# Altium PCB LimeSDR-Micro_1v0.PcbDoc (part 7 of 8)
Units mm, origin at the board's own origin, x right, y up, seen from the top; angles counter-clockwise.
Board outline 50.8 x 29.7 mm, 8 copper layers (Top, L2, L3, L4, L5, L6, L7, Bottom), stack 0.925 mm thick; 648 components, 374 nets, 2297 pads, 812 vias.
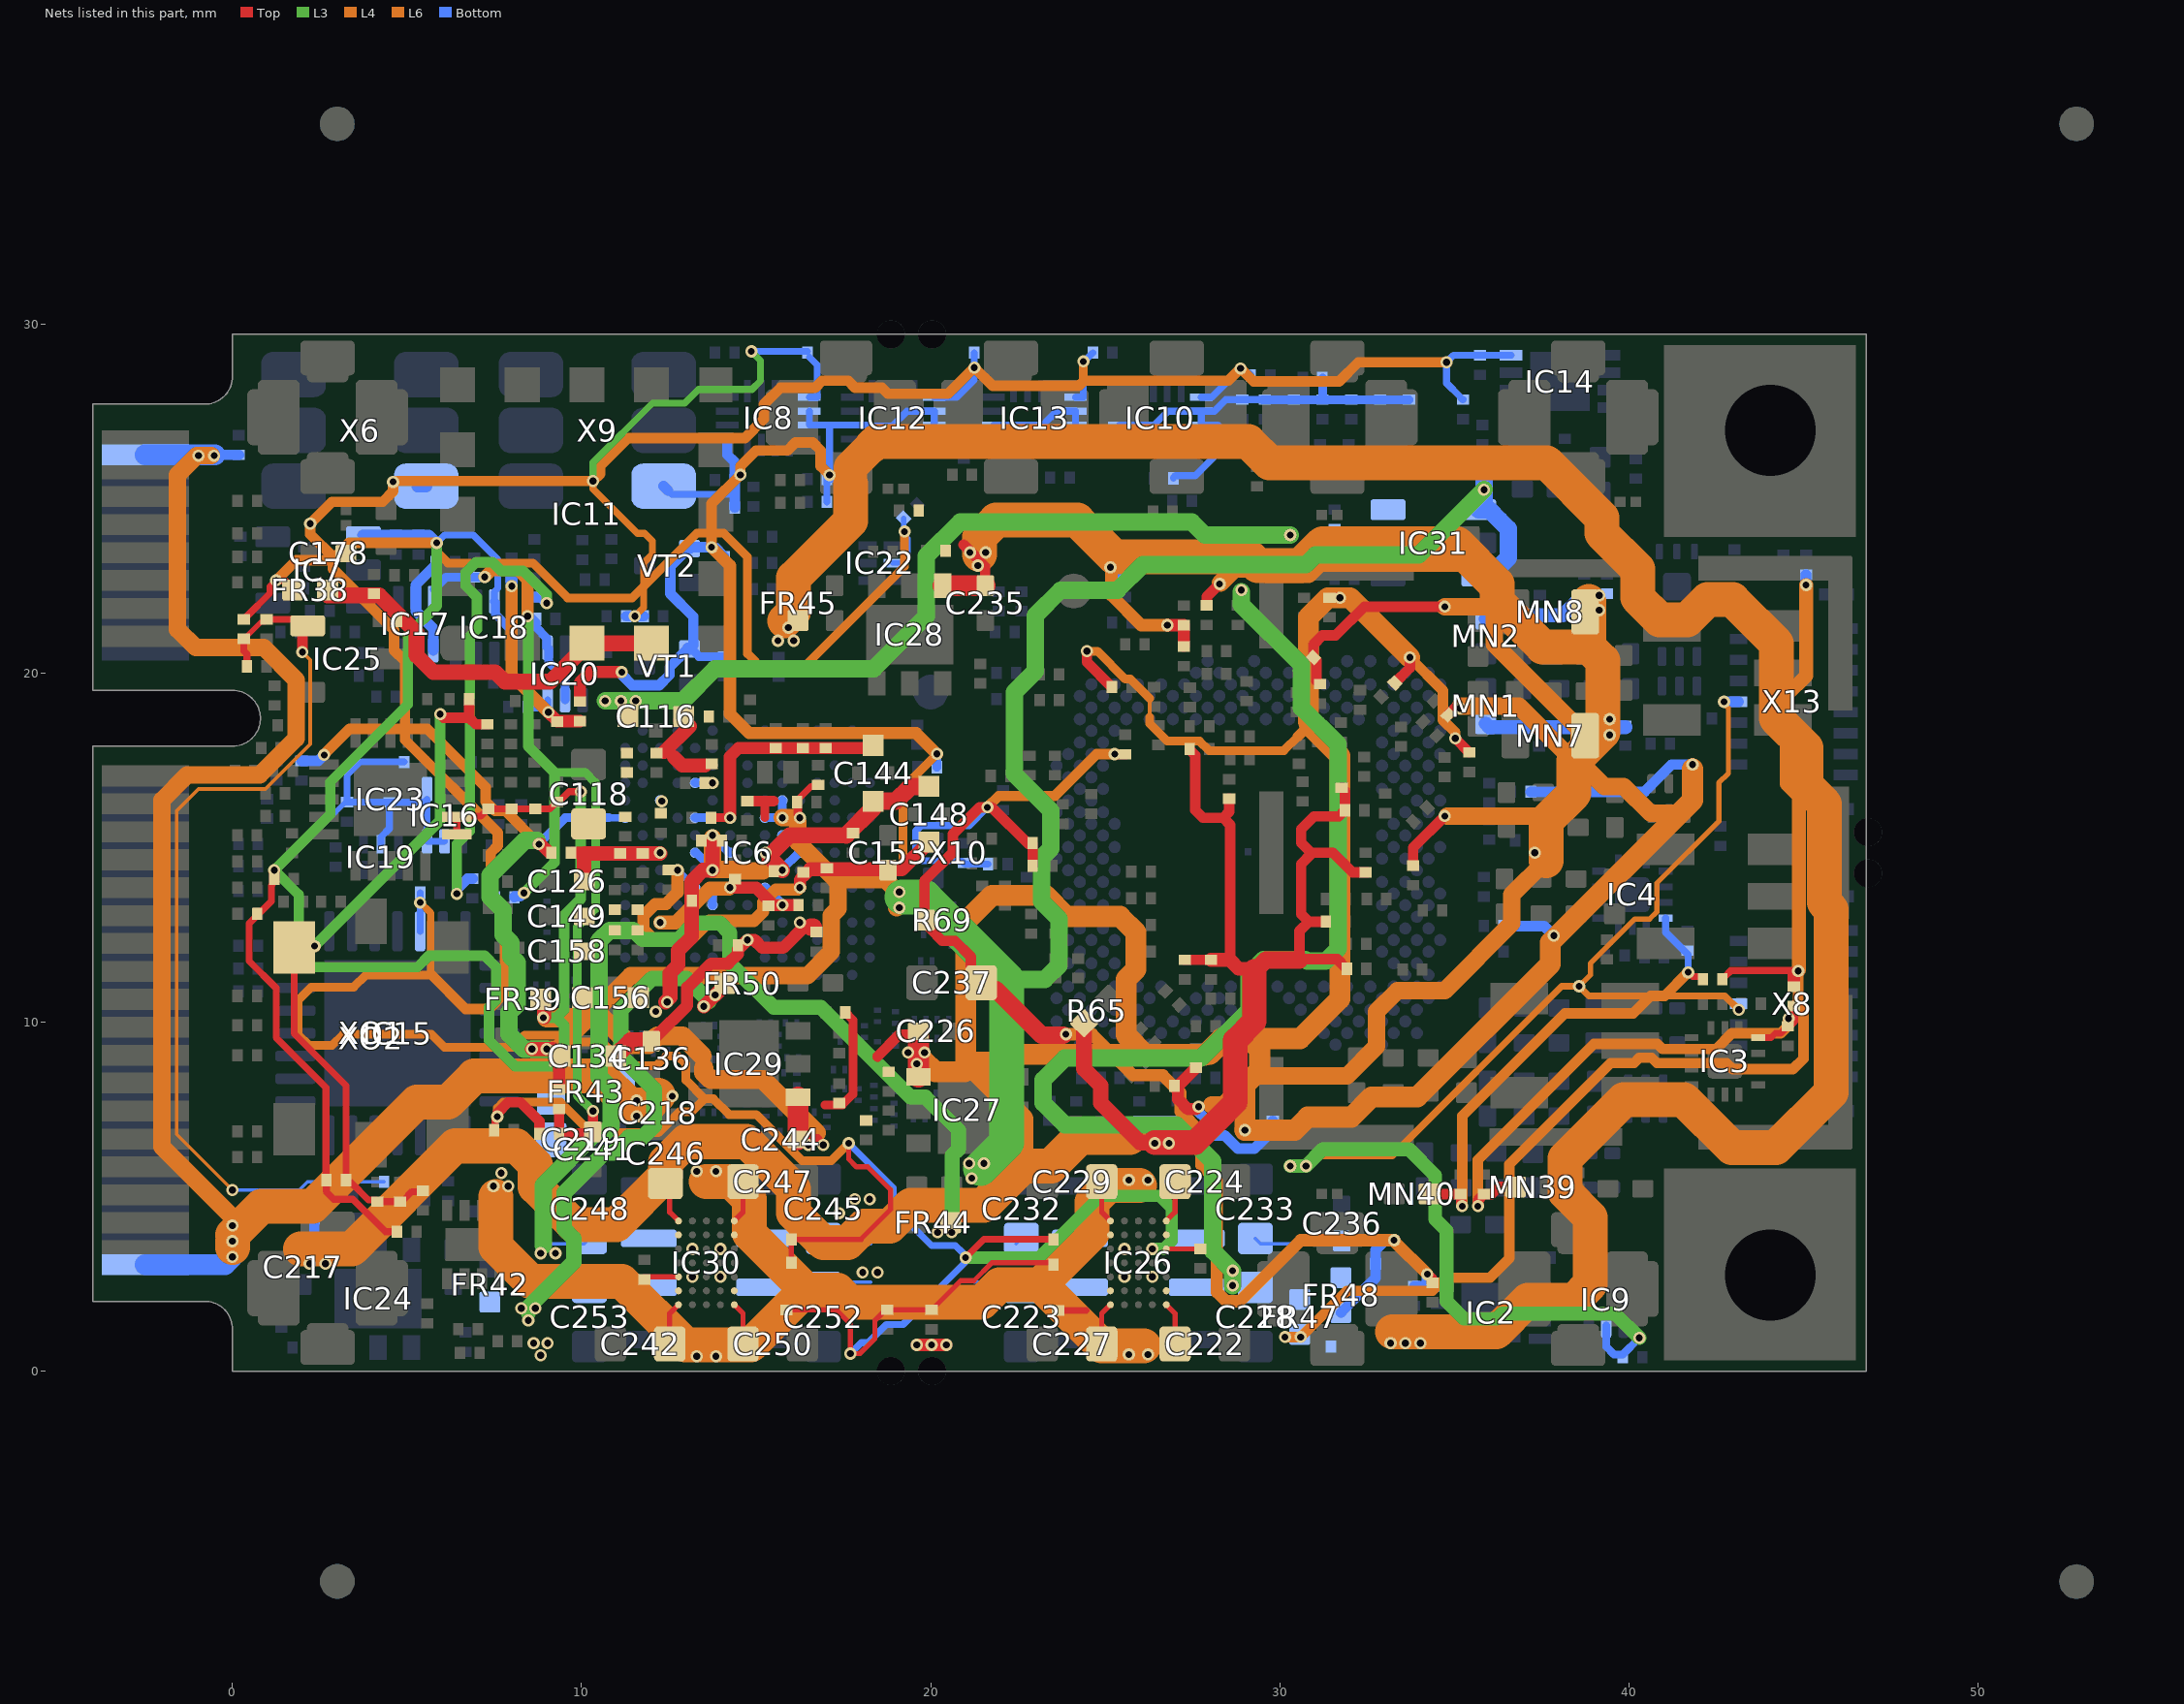
[diagram p13: the nets of this part, all layers, seen from the top]

## Via types
v1: diameter 0.35, hole 0.2, Top to Bottom, tented both sides, 670 vias
v2: diameter 0.35, hole 0.2, L5 to Bottom, tented both sides, 104 vias
v3: diameter 0.4, hole 0.2, Top to Bottom, tented both sides, 30 vias
v4: diameter 0.5, hole 0.2, Top to Bottom, tented both sides, 8 vias

## Nets (pads, with @x,y where several pads share a name; then routed paths per layer and width w, separated by ;. In a path a pad name is that pad's centre, name@x,y a point inside that pad or via, vN(x,y) a via of type N, cw(c..) or ccw(c..) an arc to the next point about the centre after c; other vN are vias at no path point) (continued)
VCC0P9: C139.2 C140.2 C141.2 C142.2 C143.2 C144.1 C148.1 C156.1 C223.2 IC6.G6 IC6.G10 IC6.H5 IC6.H7 IC6.H9 IC6.H11 IC6.J6 IC6.J10 IC26.C4 L2.2 | length 19.2
  Top w0.3: v1(20.45,0.75) v1@20.475,0.75
  Top w0.35: v1(19.6,0.75) v1(20.025,0.75) v1(20.45,0.75)
  Top w0.42: v1@12.4,10.575 12.533,10.708 12.533,11.398 12.766,11.631 12.766,12.051 13.15,12.435 13.15,14.025 13.475,14.35 v1(13.751,14.35) 13.751,15.1
  Top w0.45: v1(15.751,14.35) 15.64,14.46 15.375,14.726 15.375,14.767 15.958,15.35 17.575,15.35
  Top w0.5: 17.575,15.35 18.35,16.125 C144.1@18.35,16.325 19,16.325 19.425,16.75 C148.1@19.95,16.75
  L6 w0.5: v1@13.75,14.375 v1@13.75,15.275 ; v1@13.8,14.375 14.475,14.375 14.525,14.325 15.2,14.325 15.45,14.575
  Bottom w0.1: 21.25,2.55 22.45,2.55 C223.2@22.6,2.4
  Bottom w0.25: IC6.H5@13.251,14.85 13.264,14.85 13.289,14.825 13.306,14.825 13.726,14.405 13.726,14.389 13.751,14.364 v1(13.751,14.35) ; v1(13.751,15.35) 13.751,15.336 13.776,15.311 13.776,15.295 14.196,14.875 14.212,14.875 14.237,14.85 IC6.H7@14.251,14.85 ; IC6.H9@15.251,14.85 v1(15.264,14.85) 15.289,14.875 15.342,14.875 15.751,15.284 IC6.J10@15.751,15.35 ; v1(15.751,14.35) 15.751,14.364 15.776,14.389 15.776,14.405 16.196,14.825 16.212,14.825 16.237,14.85 IC6.H11@16.251,14.85
  other v1: 25.55,2.7 12.125,10.3 12.45,10.575
VCC0P9_AFE_CVDD: C148.3 C152.2 C153.2 C154.2 C155.2 IC6.F5 IC6.F11 | length 12.7
  Top w0.35: v1(16.251,13.85) 16.251,14.076 16.4,14.225 16.55,14.375
  Top w0.4: 16.55,14.375 17.025,14.375 18.775,14.375 19.175,14.375 C148.3@19.95,15.15
  L6 w0.35: v1(12.751,14.35) 12.751,13.714 12.418,13.38 12.109,13.38 11.776,13.047 11.776,12.653 12.054,12.375 13.14,12.375 13.665,12.9 14.937,12.9 15.201,13.164 15.201,13.436 15.565,13.8 16.201,13.8 v1(16.251,13.85)
  Bottom w0.2: v1(12.751,14.35) IC6.F5@13.251,13.85
VCC0P9_AFE_SVDD: C149.2 C150.1 C151.1 C156.3 C157.2 C158.2 C159.2 C160.2 C161.2 C162.2 IC6.D3 IC6.E6 IC6.E10 IC6.F7 IC6.F9 | length 6.1
  Top w0.35: v1(14.251,13.85) 15,13.85 15.5,13.35 v1(15.751,13.35) C150.1@16.19,13.35
  L6 w0.4: v1(12.251,12.85) 12.7,12.85 13.675,13.825 v1@14.226,13.825
  Bottom w0.25: IC6.E6@13.751,13.35 13.751,13.651 13.95,13.85 v1(14.251,13.85) ; IC6.F9@15.251,13.85 15.264,13.85 15.289,13.825 15.306,13.825 15.741,13.39 15.741,13.36 v1(15.751,13.35)
VCC0P9_SD_SVDD: C144.3 C145.2 C146.2 C147.2 IC6.K5 IC6.K7 R78.2 | length 7.5
  Top w0.25: R78.2@13.705,15.85 v1(14.251,15.85)
  Top w0.35: v1(14.251,15.85) 14.25,15.851 14.25,17.6 14.5,17.85 15.075,17.85 15.85,17.85 16.5,17.85 18.275,17.85 C144.3@18.35,17.925
  Bottom w0.25: IC6.K5@13.251,15.85 v1(14.251,15.85)
VCC1P4_LMS: C226.2 FR22.2 FR23.2 FR24.2 FR25.2 IC27.4 R194.2 R195.1 | length 60.3
  Top w0.3: 18.475,9.015 19.096,9.636 19.646,9.636 C226.2@19.65,9.64 ; FR25.2@27.909,21.935 27.909,22.184 v1(28.275,22.55)
  Top w0.6: IC27.4@19.65,8.425 C226.2@19.65,9.64
  L4 w0.6: v1(29,6.9) 30.425,6.9 30.8,7.275 32.05,7.275 32.625,7.85 33.938,7.85 37.75,11.662 37.75,12.275 41.825,16.35 v1@41.825,17.25
  L6 w0.5: v1@28.3,22.575 28.7,22.975 29.475,22.975 29.625,22.825 30.825,22.825 31.15,23.15 35.218,23.15 36.15,22.218 36.15,20.825 38.575,18.4 38.575,17.475 39.3,16.75 39.85,16.75 40.625,15.975 41.367,15.975 41.825,16.433 v1@41.825,17.3
  L6 w0.6: 19.775,8.925 20.125,8.575 20.975,8.575 21.25,8.85 22,8.85 22.225,9.075 28,9.075 28.5,9.575 29.05,9.575 29.425,9.2 29.425,8.625 29,8.2 v1(29,6.9)
  Bottom w0.3: v1(29,6.9) FR23.2@29,7.17 ; FR24.2@36.405,12.75 37.575,12.75 v1(37.85,12.475) ; FR22.2@37.185,16.595 40.445,16.595 41.225,17.375 v1(41.825,17.375)
  other v1: 19.6,8.8 19.35,9.125 19.825,9.125
VCC1P5: C245.2 FR42.1 IC30.C4 L6.2 | length 1.4
  Bottom w0.1: C245.2@16.925,3.8 17.075,3.65 18.275,3.65
  other v1: 8.825,0.45 8.625,0.8 9.025,0.8 13.975,3.5 17.375,4.525 17.825,4.925 18.25,4.925
VCC1P8: C129.2 C130.2 C134.1 C163.2 C165.2 C172.2 C174.2 C232.2 C254.1 FR46.1 FR49.1 IC6.K1 IC6.K9 IC6.K11 IC6.L10 IC8.5 IC8.14 IC8.15 IC10.5 IC10.6 IC10.14 IC10.15 IC12.6 IC12.14 IC12.15 IC12.16 IC13.5 IC13.6 IC13.14 IC13.15 IC13.16 IC26.E4 IC31.1 IC31.3 L4.2 R80.2 R83.2 R85.1 R86.1 R87.1 R108.1 R109.1 R110.1 R111.1 R112.1 R113.1 R114.1 R115.1 R116.1 R117.1 R141.1 R148.1 VT1.G VT2.G X9.4 | length 146.6
  Top w0.2: C129.2@16.17,16.3 16.17,16.325 16.22,16.375 16.22,16.398 16.567,16.745 16.725,16.745 R87.1@16.775,16.795
  Top w0.25: 15.251,15.85 15.251,16.149 ; C129.2@16.17,16.3 16.195,16.275 16.195,15.933 16.251,15.877 v1(16.251,15.85)
  Top w0.3: C130.2@14.75,16.33 15.5,16.33
  Top w0.35: v1(8.775,15.095) 8.838,15.095 R80.2@9.083,14.85 ; FR49.1@9.355,8.091 C134.1@9.355,9.005 ; C134.1@9.355,9.03 C134.1@9.355,9.005 ; C134.1@9.375,9.025 C134.1@9.355,9.005 ; FR46.1@9.95,19.205 9.95,19.725 10.25,20.025 v1(11.15,20.025)
  Top w0.4: v1(8.575,9.225) v1(9,9.225) 9.175,9.225 C134.1@9.375,9.025
  L3 w0.5: v1(8.575,9.225) 8.35,9.225 7.925,9.65 7.925,10.275 8.15,10.5 8.15,11.7 7.975,11.875 7.975,12.275 7.75,12.5 7.75,13.2 7.375,13.575 7.375,14.2 8.375,15.2 v1@8.725,15.2 ; v1@8.675,9.225 v1(9,9.225) ; 22.175,11.225 23.275,11.225 23.675,11.625 23.675,12.95 23.175,13.45 23.175,14.7 23.443,14.968 23.443,16.057 22.4,17.1 22.4,19.45 23,20.05 23,21.65 23.725,22.375 25.35,22.375 26.075,23.1 30.75,23.1 31.025,23.375 33.975,23.375 v1(35.85,25.25)
  L3 w1: v1@19.175,13.575 19.825,13.575 22.175,11.225 22.175,6.55 21.425,5.8
  L4 w0.35: v1(13.725,23.6) 14.25,23.075 14.25,18.825 14.8,18.275 19.585,18.275 v1(20.18,17.68)
  L6 w0.25: 18.7,14.075 19.2,14.575 19.2,16.7 v1(20.18,17.68)
  L6 w0.3: v2(2.625,17.65) 2.625,17.675 3.35,18.4 5.578,18.4 7.251,16.727 ; 7.25,16.726 7.25,16.316 7.516,16.05 7.82,16.05 v1(8.775,15.095) ; v1(13.725,23.6) 13.725,24.85 v1(14.55,25.675) 14.55,25.925 15,26.375 15.9,26.375 16.125,26.6 16.625,26.6 16.85,26.375 16.85,25.92 v2(17.1,25.67)
  L6 w0.5: v1(8.575,9.225) v1(9,9.225) 9.3,9.225 11.4,11.325 16.468,11.325 17.15,12.007 17.15,13.05 17.35,13.25 17.35,13.993 17.268,14.075 ; v1(15.751,15.85) 16.1,15.85 16.2,15.75 16.2,15.143 17.268,14.075 ; v1@19.025,13.275 19.025,13.75 18.7,14.075 17.268,14.075
  Bottom w0.1: C232.2@22.45,3.65 C232.2@22.6,3.8
  Bottom w0.2: 10.775,15.85 IC6.K1@11.251,15.85 ; X9.4@12.47,25.23 12.584,25.116 14.385,25.116 ; IC8.14@16.525,27.5 IC8.15@16.525,27.1 17.137,27.1 ; R116.1@17.03,24.9 C172.2@17.03,25.6 ; C172.2@17.03,25.55 R109.1@17.595,25.55 ; v2(17.1,25.67) 17.1,27.062 17.137,27.1 ; R115.1@26.955,25.575 26.955,25.6 27.005,25.65 27.575,25.65 28.35,26.425 28.35,26.975 28.225,27.1 IC10.15@27.75,27.1 IC10.14@27.75,27.5 ; R117.1@29.5,27.83 28.455,27.83 28.125,27.5 IC10.14@27.75,27.5 ; 17.137,27.1 IC12.6@17.75,27.1 18.245,27.1 18.27,27.075 18.9,27.075 19.325,27.5 IC12.14@20.1,27.5 IC12.15@20.1,27.1 IC12.16@20.1,26.7 IC13.5@21.8,26.7 IC13.6@21.8,27.1 23.212,27.1 23.612,27.5 IC13.14@24.15,27.5 IC13.15@24.15,27.1 IC13.16@24.15,26.7 IC10.5@25.4,26.7 IC10.6@25.4,27.1 26.4,27.1 26.8,27.5 IC10.14@27.75,27.5
  Bottom w0.25: v1(8.775,15.095) 9.53,15.85 10.775,15.85 ; VT1.G@13.145,20.69 13.362,20.473 R141.1@14.074,20.473 ; IC6.K9@15.251,15.85 v1(15.751,15.85) IC6.L10@15.751,16.35 ; R83.2@20.18,17.3 v1(20.18,17.68) ; R117.1@29.5,27.83 R117.1@29.575,27.83 R112.1@30.4,27.83 R113.1@31.225,27.83 ; C165.2@31.225,28.45 R113.1@31.225,27.83 ; R110.1@33.7,27.83 R114.1@32.875,27.83 R111.1@32.05,27.83 R113.1@31.225,27.83
  Bottom w0.3: R86.1@1.975,17.48 2.455,17.48 v2(2.625,17.65) ; v1(11.15,20.025) 11.15,19.953 11.453,19.65 12.225,19.65 12.52,19.945 12.52,20.165 VT1.G@13.045,20.69 ; X9.4@12.35,25.35 X9.4@12.47,25.23 ; VT1.G@13.095,20.69 13.1,20.69 13.2,20.79 13.2,21.613 12.545,22.268 12.545,23.065 13.045,23.565 VT2.G@13.095,23.565 ; VT2.G@13.13,23.6 v1(13.725,23.6) 13.735,23.59 13.831,23.59 14.049,23.373 14.049,23.348 R148.1@14.074,23.348 ; IC8.5@14.175,26.625 14.175,26.25 14.38,26.045 14.38,25.5 14.385,25.495 14.385,25.116 C174.2@14.385,24.737
  Bottom w0.35: VT1.G@13.045,20.69 VT1.G@13.095,20.69 ; R85.1@14.419,25.675 v1(14.55,25.675)
  Bottom w0.5: IC31.3@35.7,22.775 35.75,22.825 36.075,22.825 36.55,23.3 36.55,24.126 36.301,24.375 36.001,24.675 IC31.1@35.855,24.675 ; IC31.1@35.7,24.675 IC31.1@35.855,24.675 ; C254.1@35.855,25.625 IC31.1@35.855,24.675
  other v1: 25.55,3.5 21.175,5.525 21.1,5.95 21.525,5.95 19.1,13.275 19.1,13.725
VCC1P8_AFE_OTVDD: C134.3 C135.2 C136.2 C137.2 IC6.C8 IC6.D11 | length 7.8
  Top w0.35: C136.2@12,9.45 12,9.5 12.075,9.575 12.125,9.575 13.025,10.475 13.025,10.988 13.712,11.675 14.2,11.675 14.48,11.955 14.48,12.079 v1(14.751,12.35) 14.95,12.35 15.175,12.125 15.775,12.125 16.375,12.725 C135.2@16.575,12.725
  Top w0.5: C134.3@10.975,9.025 11.4,9.45 C136.2@12,9.45 ; C135.2@16.575,12.725 C135.2@16.633,12.725
  other v1: 16.251,12.85
VCC1P8_AVDD_PLAT: C126.2 C127.1 C128.1 IC6.H3 R80.1 | length 3.3
  Top w0.35: R80.1@9.743,14.85 10.05,14.85 10.075,14.825
  Top w0.42: C126.2@10.075,14.025 10.075,14.825 v1@12.25,14.825
  other v1: 12.251,14.85
VCC1P8_CLK: C188.1 C190.1 C238.1 FR46.2 IC18.6 IC20.6 | length 6.5
  Top w0.35: v1(9.05,18.875) 9.305,18.62 FR46.2@9.95,18.62
  L6 w0.35: v1(8,22.485) 8,19.925 v1(9.05,18.875)
  Bottom w0.2: C188.1@7.975,22.745 C188.1@8,22.72 ; IC20.6@8.975,19.025 9.025,19.075 IC20.6@9.025,19.225
  Bottom w0.25: C190.1@8.455,19.025 IC20.6@8.975,19.025
  Bottom w0.3: IC18.6@8,22.05 v1(8,22.485)
  Bottom w0.35: v1(8,22.485) C188.1@8,22.72
VCC1P8_LMS: C29.2 C30.2 C31.1 C32.1 C33.2 C34.2 C35.1 C36.1 C235.2 FR26.2 FR27.1 FR28.1 FR29.2 FR30.2 FR31.2 FR32.2 FR33.2 IC28.4 MN1.2 MN2.2 MN7.2 MN8.2 R68.2 R70.2 R71.1 R200.2 R201.1 | length 76
  Top w0.3: 20.94,23.675 21.37,23.245 21.561,23.054 21.561,22.504 C235.2@21.565,22.5 ; R70.2@31.15,19.68 31.125,19.68 31.125,19.705 31.05,19.78 31.05,20.362 30.948,20.464 30.966,20.481 30.966,20.816 31.225,21.075 31.6,21.075 32.425,21.9 v1(34.725,21.9) ; FR28.1@33.82,14.48 33.82,14.995 v1(34.725,15.9) ; FR26.2@34.823,18.802 35.01,18.989 v1(35.16,18.989)
  Top w0.35: v1(26.78,21.37) FR31.2@27.25,21.37 FR33.2@27.25,20.78 ; R71.1@27.005,8.175 R71.1@27.086,8.175 ; R71.1@27.061,8.15 R71.1@27.086,8.175 ; R71.1@27.111,8.175 R71.1@27.086,8.175 ; FR30.2@27.576,8.665 R71.1@27.086,8.175 ; v1@27.6,7.5 27.375,7.5 27.086,7.789 R71.1@27.086,8.175
  Top w0.6: IC28.4@20.35,22.5 C235.2@21.565,22.5
  L4 w0.35: 25.175,23.4 25.175,22.225 26.03,21.37 v1(26.78,21.37)
  L4 w0.5: 28.05,7.625 28.4,7.625 29.225,8.45 31.925,8.45 32.775,9.3 32.775,10.3 33.374,10.899 34.724,10.899 36.65,12.825 36.65,13.65 37.625,14.625 ; v1(34.725,21.9) 36.375,21.9 ; v1@34.8,15.9 37.5,15.9 ; v1@35.175,19.05 36.85,19.05 38.425,17.475
  L4 w1: 21.4,23.4 21.4,23.9 21.875,24.375 24.2,24.375 25.175,23.4 ; 25.25,23.325 29.125,23.325 29.375,23.075 30.6,23.075 31.225,23.7 35.075,23.7 36.225,22.55 36.225,22.05 ; 36.375,21.9 37.525,20.75 38.85,20.75 ; 37.625,14.625 37.625,15.75 38.425,16.55 38.425,17.475 39.25,18.3 39.25,20.35 38.85,20.75 ; 38.85,22.05 38.85,20.75
  Bottom w0.3: v1@27.6,7.5 27.93,7.17 FR29.2@28.15,7.17
  Bottom w0.35: v1(25.15,23.025) 25.445,22.73 R68.2@25.575,22.73 ; v1(37.305,14.85) FR27.1@37.305,15.205 FR27.1@37.305,15.28
  Bottom w0.4: MN1.2@35.9,18.55 36,18.45 36.234,18.45 C33.2@39.9,18.45 ; MN2.2@35.9,21.55 36,21.65 36.234,21.65 37.45,21.65 38.105,21.65 38.68,22.225 38.915,21.99 39.15,21.755 v1(39.15,21.8)
  other v1: 27.675,7.575 39.45,18.225 39.45,18.675 39.15,22.225 21.35,23.075 21.125,23.45 21.575,23.45
VCC1P25_LMS: C217.2 FR5.2 FR6.2 FR7.2 FR8.2 FR9.2 FR10.2 FR11.2 FR12.2 FR13.2 FR14.2 FR15.2 FR16.2 FR17.2 FR18.2 FR19.2 FR20.2 FR21.2 IC24.4 R65.1 R188.2 R189.1 | length 122.6
  Top w0.3: v1(24.475,20.625) 24.475,20.312 FR7.2@25.192,19.595 ; FR17.2@27.275,11.78 FR5.2@28.025,11.78 ; FR18.2@27.42,17.825 27.42,17.8 27.58,17.64 27.58,16.07 27.8,15.85 28.375,15.85 ; FR19.2@28.55,16.395 28.55,16.025 28.375,15.85 ; 28.575,11.78 28.575,15.65 28.375,15.85 ; FR11.2@31.32,12.875 30.833,12.875 ; FR20.2@31.425,22.155 v1(31.725,22.155) ; FR8.2@31.772,16.71 31.797,16.71 31.797,16.685 31.867,16.615 FR6.2@31.867,16.065 31.867,16.04 31.842,16.04 31.692,15.89 30.978,15.89 30.615,15.526 30.615,15.135 30.9,14.85 ; FR12.2@31.92,11.525 31.645,11.8 30.565,11.8 30.565,12.607 30.833,12.875 ; FR10.2@32.484,14.29 FR10.2@32.459,14.29 32.085,14.29 31.525,14.85 30.9,14.85 ; FR21.2@33.295,19.713 33.725,20.143 v1(33.725,20.443) ; v1(35.025,18.125) FR9.2@35.426,17.724 ; 30.833,12.875 30.615,13.093 30.615,14.526 30.9,14.812 30.9,14.85
  Top w0.4: FR5.2@28.025,11.78 28.57,11.78 28.825,11.525 29.25,11.525
  Top w0.45: R65.1@24.393,9.968 24.393,8.657 24.875,8.175 24.875,7.675 26,6.55 v1@26.42,6.55
  Top w0.5: 29.275,11.45 29.6,11.775 30.565,11.775
  Top w0.7: v1@26.42,6.55 27.575,6.55 28.725,7.7 28.725,9.475 29.275,10.025 29.275,11.45
  L4 w0.11: 26.269,18.728 26.269,19.276
  L4 w0.25: v1(24.475,20.625) 24.775,20.625 25.575,19.825 25.721,19.825 26.269,19.276 ; 26.269,18.728 26.269,18.556 26.775,18.05 27.7,18.05 27.975,17.775 30.025,17.775 30.116,17.775 30.525,18.184
  L4 w0.3: 30.525,18.184 30.845,18.505
  L4 w0.6: 22.646,5.875 22.646,7.229 21,8.875 21,12.875 21.75,13.625 23.3,13.625 23.9,13.025 25.425,13.025 25.875,12.575 25.875,11.5 25.6,11.225 25.6,9.625 26.175,9.05 27.85,9.05 28.325,9.525 30.587,9.525 31.725,10.663 31.725,17.625 30.845,18.505 ; 30.825,18.6 30.825,21.6 31.38,22.155 v1(31.725,22.155) 32.013,22.155 v1(33.725,20.443)
  L4 w1: 1.95,3.5 2.66,3.5 3.425,3.5 6.375,6.45 8.13,6.45 8.675,5.905 8.675,5.279 9.754,4.2 11,4.2 12.4,5.6 12.4,5.981 12.994,6.575 14.725,6.575 16.075,5.225 16.075,4.525 16.925,3.675 17.621,3.675 18.096,4.15 18.825,4.15 19.425,4.75 21.521,4.75 22.646,5.875 23.45,5.875 24.275,6.7 25.7,6.7
  L6 w0.3: v1(33.725,20.443) 34.675,19.493 34.675,18.65 35.025,18.3 v1(35.025,18.125)
  Bottom w0.3: C217.2@1.91,3.575 C217.2@2.01,3.475 ; C217.2@2.25,3.5 2.344,3.594 R189.1@2.344,4.367 R189.1@2.344,4.392 ; FR16.2@25.705,6.575 25.705,6.905 25.945,7.145 25.945,7.17 FR15.2@25.97,7.17 27.05,7.17 FR14.2@27.075,7.17 27.1,7.17 27.1,7.12 27.47,6.75 28.425,6.75 28.8,6.375 29.275,6.375 29.8,6.9 FR13.2@29.8,7.17
  Bottom w0.6: 2.41,3.475 IC24.4@3.175,3.475
  other v1: 2.21,3.075 2.66,3.075 26.42,6.525 26.825,6.525
VCC1P35: C116.1 R72.2 R205.2 R207.2 | length 22.9
  L3 w0.5: v1(10.675,19.2) v1(11.125,19.2) v1(11.55,19.2) 12.9,19.2 13.825,20.125 18.375,20.125 19.875,21.625 19.875,23.35 20.85,24.325 27.475,24.325 27.85,23.95 v1(30.3,23.95)
VCC1P35_AVDD_SD_PLL: C118.2 C119.2 C123.1 IC6.L3 R72.1
  other v1: 12.3,16.325
VCC1P35_LDO: C255.1 IC31.5 R207.1 R212.1
VCC1P35_SD_XVDD: C116.3 C120.2 C121.2 C122.2 IC6.M5 IC6.M6 R77.2 | length 2.9
  Top w0.3: R77.2@13.531,16.85 v1(13.751,16.85)
  Top w0.4: 12.363,17.738 C116.3@13.1,18.475 ; 12.65,17.584 12.884,17.35 13.531,17.35 ; C116.3@12.826,18.651 C116.3@12.925,18.75
  Bottom w0.25: IC6.M5@13.251,16.85 v1(13.751,16.85)
VCC1P35_SW: C228.2 IC26.C2 L3.2 R205.1 | length 32.2
  L3 w0.5: v1(28.65,2.45) v1(28.65,2.875) 28.075,3.45 28.075,6.017 27.042,7.05 23.85,7.05 23.225,7.675 23.225,8.35 23.85,8.975 27.75,8.975 29.125,10.35 29.125,11.375 29.54,11.79 30.735,11.79 30.785,11.74 31.313,11.74 31.675,12.102 31.675,17.95 30.625,19 30.625,20.225 28.9,21.95 v1@28.9,22.325
  Bottom w0.1: C228.2@29.3,2.4 C228.2@29.45,2.55
  other v1: 26.35,2.7 28.9,22.375
VCC1P75: C248.2 FR44.1 IC30.C2 L7.2 | length 27.7
  L3 w0.43: 11.475,12.625 11.74,12.36 12.761,12.36 13.241,12.84 13.954,12.84 14.241,12.553 14.241,11.684 15.5,10.425 16.85,10.425 19.425,7.85 19.85,7.85 20.79,6.91 20.79,6.354 20.61,6.174 20.61,4.24
  L3 w0.5: 8.9,3.6 8.9,5.32 10.405,6.825 10.65,6.825 10.85,7.025 10.85,8.079 10.5,8.429 10.5,12.325 10.8,12.625 11.475,12.625
  Bottom w0.1: 8.875,3.65 10.075,3.65 C248.2@10.225,3.8
  other v1: 8.825,3.375 9.25,3.375 13.175,3.5 20.2,3.975 20.6,3.975
VCC2P05: C252.2 FR45.1 IC30.E4 L8.2 | length 70.2
  L4 w0.95: 17.7,25.425 17.7,25.886 18.314,26.5
  L4 w1: 15.825,21.5 16.075,21.75 16.075,22.725 17.7,24.35 17.7,25.425 ; 18.314,26.5 18.439,26.625 29.104,26.625 29.704,26.025 37.65,26.025 39.225,24.45 39.225,24.004 40.25,22.979 40.25,22.154 40.879,21.525 41.675,21.525 42.25,22.1 42.971,22.1 44.225,20.846 44.225,18.7 45.075,17.85 45.075,16.775 45.6,16.25 45.6,13.425 45.8,13.225 45.8,7.99 44.21,6.4 42.95,6.4 41.575,7.775 39.854,7.775 38.175,6.096 38.175,5.125 38.9,4.4 38.9,2.5 38.425,2.025 37.1,2.025 36.2,1.125 34.025,1.125 33.225,1.125
  Bottom w0.1: C252.2@16.925,2.4 17.075,2.55 18.275,2.55
  other v1: 33.175,0.8 33.6,0.8 34.025,0.8 13.975,2.7 18.05,2.825 18.475,2.825 15.625,20.925 16.075,20.925 15.925,21.3
VCC3P3: C164.1 C166.1 C168.1 C173.1 C175.1 C179.1 C181.1 C233.2 C236.2 FR1.2 FR47.1 FR48.1 FR51.1 IC8.13 IC9.5 IC10.13 IC12.13 IC13.13 IC14.8 IC15.5 IC26.E2 L5.2 LED1.A LED2.A R128.1 R140.1 R149.1 R197.1 R199.1 R209.1 R210.1 R211.1 X6.4 X8.8 X13.8 | length 197.3
  Top w0.15: R211.1@15.863,1.752 17.293,1.752 17.7,1.345 v1(17.7,0.5) 17.975,0.5 18.4,0.925 18.4,1.45 18.705,1.755 LED2.A@20.025,1.755 20.86,2.59 21.24,2.59 21.75,3.1 R199.1@23.515,3.1 ; R210.1@16.085,3 16.01,3.075 R209.1@16.01,3.775 18,3.775 18.85,4.625 18.85,5.2 18.2,5.85 17.875,5.85 17.65,6.075 v1(17.65,6.525)
  Top w0.2: R128.1@7.495,6.9 7.523,6.928 v1@7.523,7.225 ; v1(21,3.25) 21.525,3.775 R197.1@23.515,3.775
  Top w0.3: v1(7.586,7.289) 7.596,7.298 7.596,7.397 7.899,7.7 8.251,7.7 8.795,7.156 FR51.1@8.795,6.8
  L3 w0.2: v1(10.325,25.5) 10.325,26.025 12.025,27.725 12.95,27.725 13.35,28.125 14.88,28.125 15.125,28.37 15.125,28.95 v1(14.863,29.213)
  L3 w0.35: v1(21,3.25) 23.1,3.25 24.875,5.025 26.55,5.025 26.9,4.675 26.9,3.725 26.675,3.5 v1(26.35,3.5)
  L3 w0.4: v1(30.3,5.875) v1(30.75,5.875) 31.225,6.35 33.705,6.35 34.45,5.605 34.45,4.355 34.78,4.025 34.78,1.998 35.278,1.5 36.225,1.5 36.375,1.65 39.6,1.65 v1(40.3,0.95)
  L4 w0.15: v1(38.575,11.025) 38.9,11.35 38.9,11.675 40.175,12.95 40.595,12.95 40.8,13.155 40.8,13.975 42.575,15.75 42.575,16.85 42.85,17.125 42.85,18.996 42.725,19.121 v1(42.725,19.175)
  L4 w0.2: v1(5.375,13.425) 5.675,13.125 5.675,11.35 ; v1(17.7,0.5) v1@17.729,0.529 ; v1(30.75,5.875) 31.05,6.175 33.225,6.175 38.075,11.025 v1(38.575,11.025)
  L4 w0.25: 5.675,11.35 3.825,11.35 3.475,11 2.259,11 1.875,10.616 1.875,9.65 2.2,9.325 2.85,9.325 3.175,9.65 5.7,9.65 6.075,9.275 8.025,9.275 8.375,9.625 9.375,9.625 9.575,9.425 10.59,9.425 11.265,8.75 12.148,8.75 12.423,9.025 12.754,9.025 12.988,8.791 12.988,8.337 13.525,7.8 ; v1(7.586,7.289) 7.586,7.536 7.75,7.7 9.4,7.7 10.275,6.825 12.2,6.825 12.8,7.425 13.15,7.425 13.525,7.8 ; v1(17.65,6.525) 17.15,6.025 16.325,6.025 15,7.35 14.225,7.35 13.775,7.8 13.525,7.8 ; v1(24.375,28.925) 24.375,28.4 24.4,28.375
  L4 w0.3: 5.688,11.362 6.675,10.375 7.35,10.375 7.8,10.825 7.8,12.416 7.65,12.566 7.65,13.325 7.4,13.575 7.4,14.849 7.6,15.049 7.6,15.425 4.938,18.088 4.938,20.337 4.625,20.65 4.625,21.226 2.875,22.976 2.875,23.323 2.225,23.973 v1(2.225,24.275) 2.85,24.9 4.3,24.9 4.6,25.2 v1(4.6,25.475) 4.625,25.5 v1(10.325,25.5) 10.525,25.7 10.525,25.933 11.317,26.725 14.676,26.725 15.225,27.274 15.225,27.701 15.699,28.175 16.69,28.175 16.89,28.375 17.635,28.375 17.835,28.175 17.918,28.175 18.6,28.175 18.775,28 20.5,28 v1(21.25,28.75) 21.775,28.225 24.25,28.225 24.4,28.375 28.525,28.375 v1(28.875,28.725) 29.25,28.35 31.699,28.35 32.249,28.9 v1(34.775,28.9)
  L4 w0.35: v1(30.3,5.875) v1(30.75,5.875)
  L6 w0.2: v1(10.325,25.5) 10.325,25.27 11.595,24 11.805,24 12.025,23.78 12.025,23.4 11.775,23.15 11.775,21.875 v1(11.525,21.625) ; v1(38.575,11.025) 38.85,10.75 42.75,10.75 v2(43.15,10.35)
  Bottom w0.1: C233.2@29.3,3.8 29.45,3.65 30.65,3.65
  Bottom w0.2: IC15.5@5.375,12.6 C181.1@5.375,13.705 ; v1(14.863,29.213) C164.1@16.47,29.213 ; IC8.13@16.525,27.9 16.75,27.9 16.75,28.225 16.75,28.474 16.75,28.825 C164.1@16.525,29.05 ; v1(17.65,6.525) 18.925,5.25 18.925,4.7 20.025,3.6 20.705,3.6 20.925,3.38 20.925,3.366 21,3.291 v1(21,3.25) 21,3.125 19.212,1.338 18.731,1.338 18.205,0.812 18.012,0.812 v1(17.7,0.5) ; IC12.13@20.1,27.9 20.75,27.9 21.25,28.4 v1(21.25,28.75) 21.247,28.753 21.247,29.172 C166.1@21.245,29.175 ; IC13.13@24.15,27.9 24.375,27.9 24.375,28.905 C173.1@24.645,29.175 ; IC10.13@27.75,27.9 28.05,27.9 v1(28.875,28.725) 28.916,28.725 29.041,28.6 29.12,28.6 29.17,28.55 C175.1@29.17,28.525 ; FR1.2@35.25,27.83 35.225,27.83 35.175,27.88 35.175,27.905 34.775,28.305 v1(34.775,28.9) 34.975,29.1 C179.1@35.73,29.1 IC14.8@36.625,29.1